# KiCad board q2v2.kicad_pcb (continued)
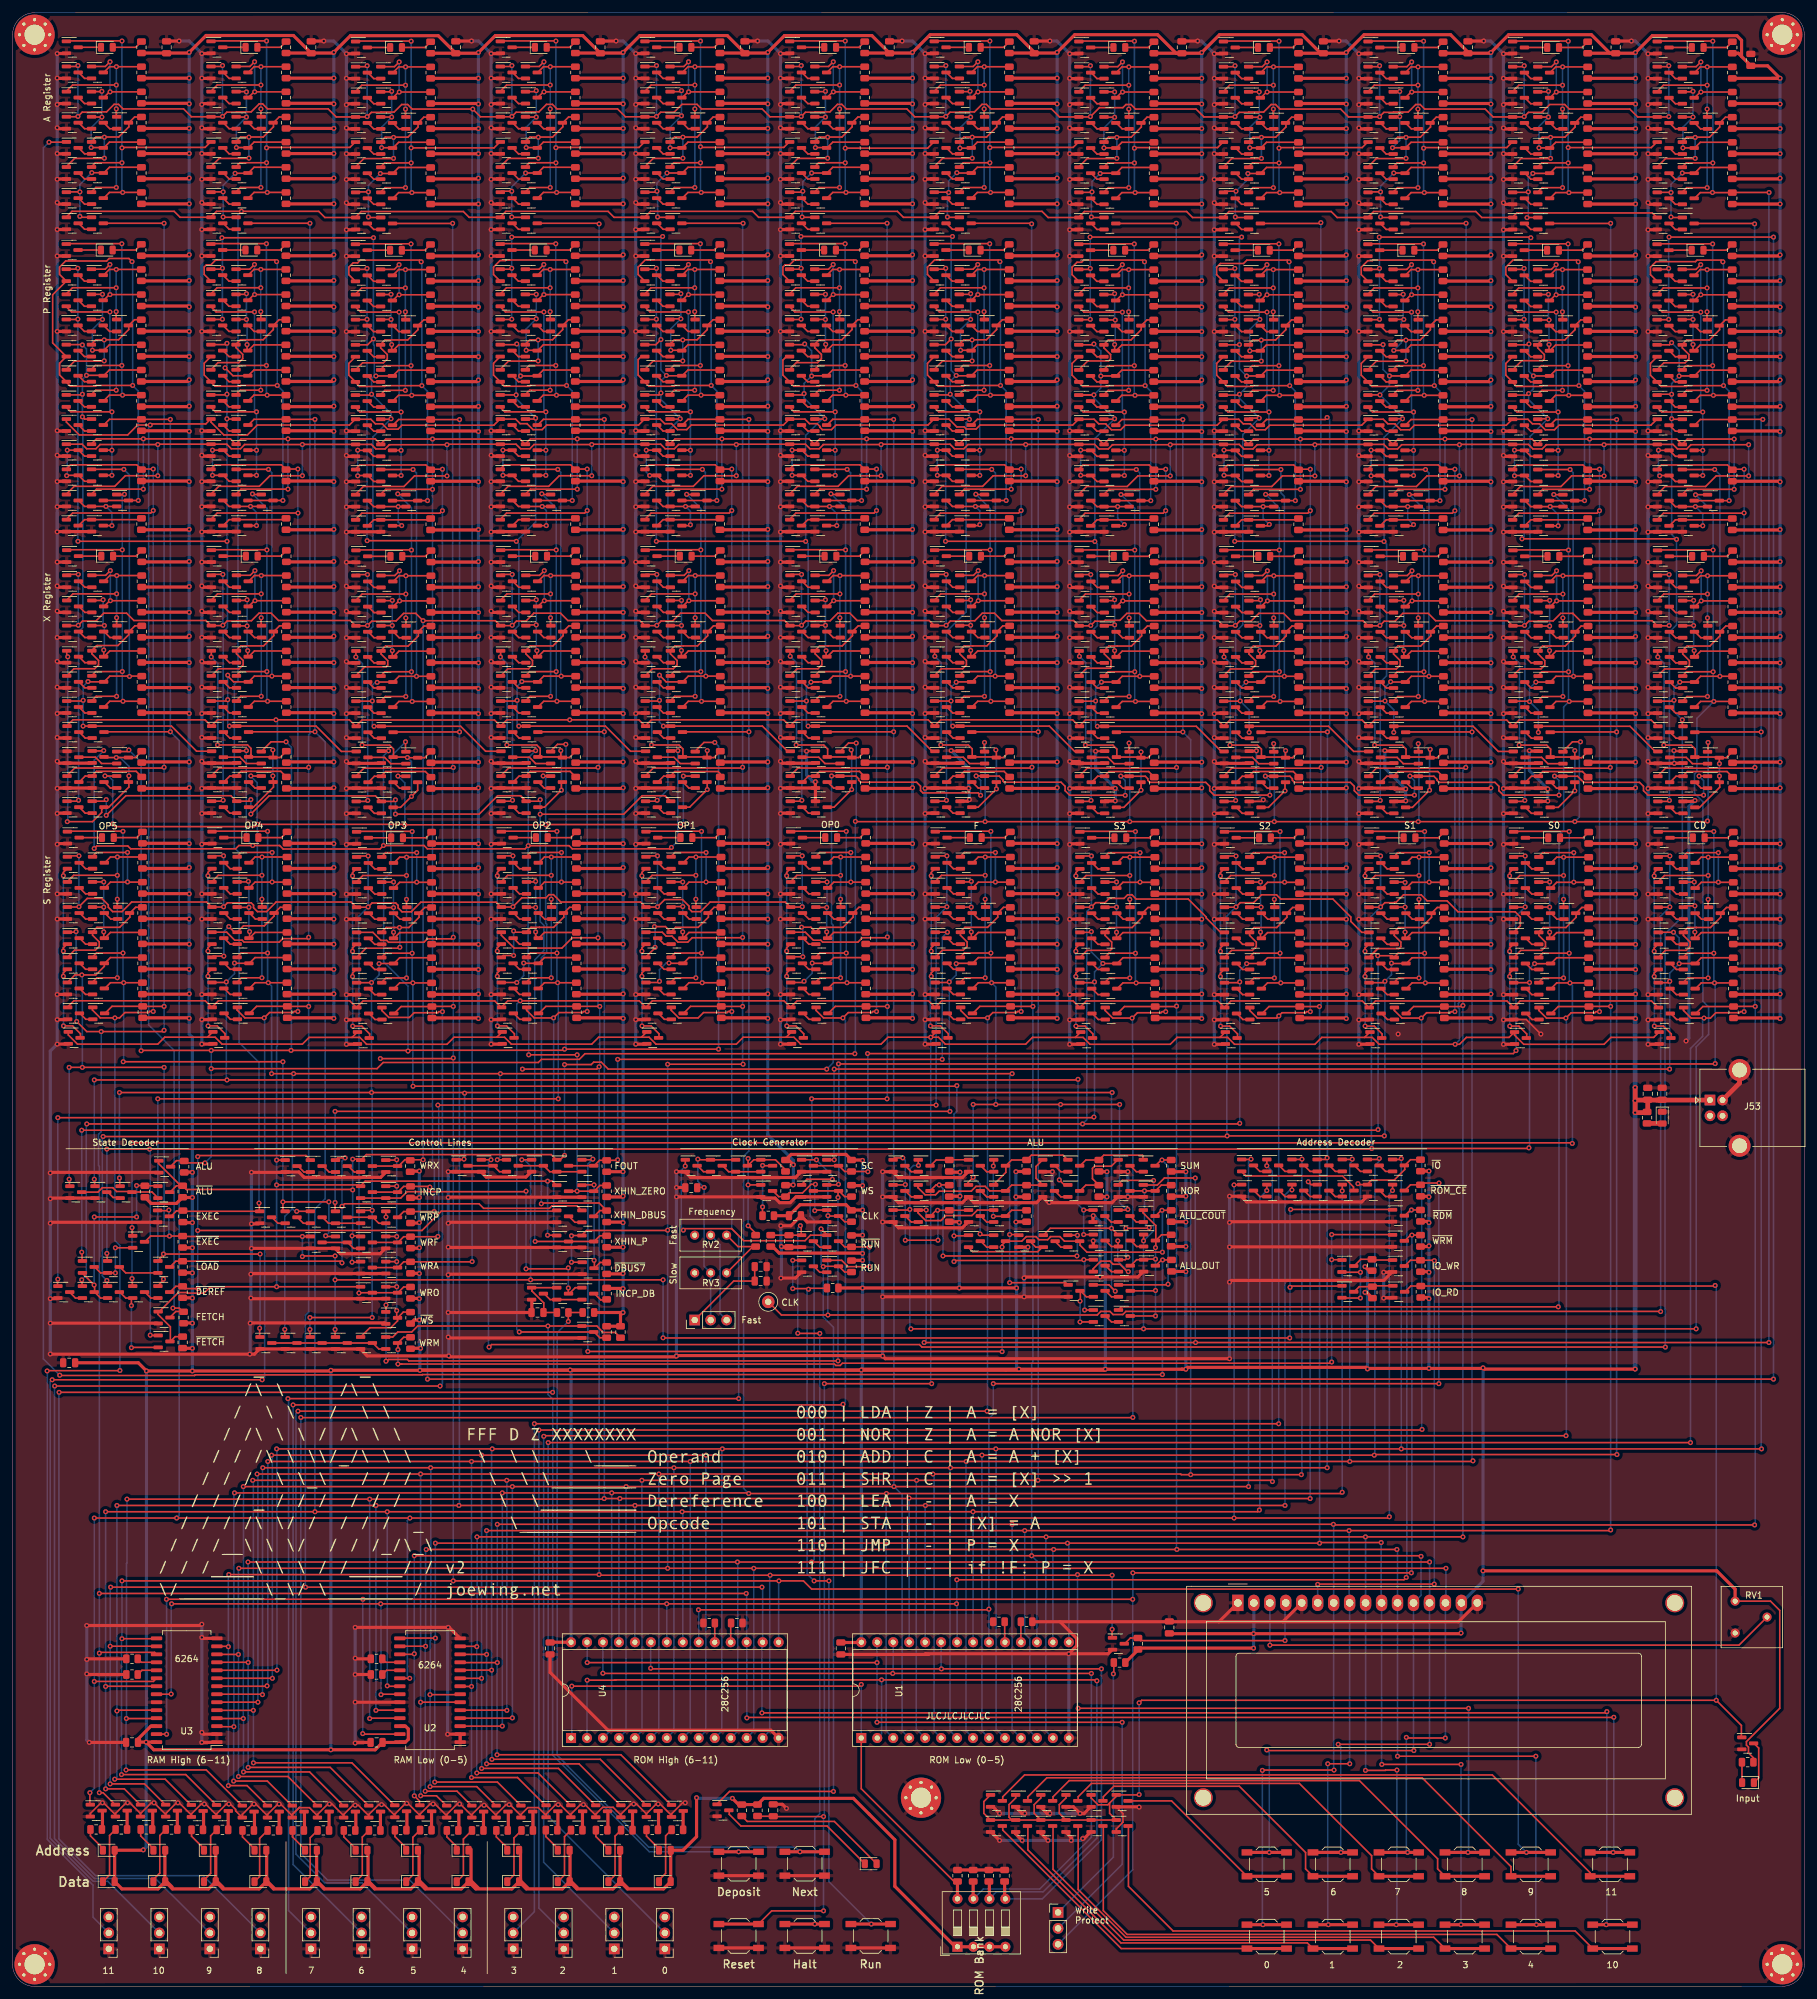
[diagram p0: board, top side]
## Routing (per net, layer and track width the routed paths; a pad name or vN(x,y) marks a point on that pad's centre or on a via; arc(x,y) is an arc through that point) (continued)
/Bit 5/P Register/P DFF/CLR: length 74.6
  Top w0.25: 152.55,236.42 v1(158.05,236.42) ; v1(157.15,254.72) 151.37,254.72 151.24,254.59 147.26,254.59 146.53,255.32 ; Q682.2 145.53,258.25 145.53,256.38 Q676.2 ; Q677.2 145.53,272.38 145.53,273.56 146.66,274.69 147.38,274.69 147.38,274.69 156.78,274.69 v1(157.05,274.42)
  Bottom w0.25: v1(158.05,236.42) 158.05,253.82 v1(157.15,254.72) 157.15,274.32 v1(157.05,274.42)
/Bit 5/P Register/P DFF/Q: length 44.5
  Top w0.25: v1(155.43,257.9) 151.22,257.9 150.53,257.22 ; 146.61,277.29 155.4,277.29 v1(155.43,277.27) ; R279.2 v1(155.54,253.18) 153.44,253.18 152.53,252.27
  Bottom w0.25: v1(155.54,253.18) 155.43,253.29 v1(155.43,257.9) v1(155.43,277.27)
/Bit 5/P Register/P DFF/SET: length 43.7
  Top w0.25: v1(153.85,250.52) 147.32,250.52 146.53,251.32 ; v1(153.85,244.42) 152.55,244.42 ; 152.55,240.42 v1(153.85,240.42) ; v1(153.53,266.41) 147.43,266.41 146.53,267.32
  Bottom w0.25: v1(153.85,240.42) v1(153.85,244.42) v1(153.85,250.52) 153.53,250.84 v1(153.53,266.41)
/Bit 5/S Register/State FF/CLR: length 32.4
  Top w0.25: v1(146.13,164.72) 146.13,165.25 146.71,165.83 ; 148.85,150.92 148.85,151.57 147.59,152.83 v1(146,152.83) ; v1(146.13,160.72) 146.13,161.25 146.71,161.83 ; 146.71,177.83 146.13,177.25 v1(146.13,176.72) ; 146,152.73 146.09,152.82
  Bottom w0.25: v1(146.13,160.72) v1(146.13,164.72) v1(146.13,176.72) ; v1(146.13,160.72) 146.15,160.69 ; v1(146.13,160.72) 146,160.59 v1(146,152.83) ; 146.13,152.85 146,152.73
/Bit 5/X Register/X DFF/D: length 41.9
  Top w0.25: 156.55,195.52 157.59,195.52 R268.2 ; 156.45,195.62 152.65,195.62 152.65,196.89 152.02,197.52 v1(147.65,197.52) ; Q637.3 156.49,196.64 v1(156.4,196.73) ; v1(146.7,211.63) 146.66,211.66 Q657.1 ; Q636.3 153.59,187.62 v1(156.5,190.53) 156.5,191.61
  Bottom w0.25: v1(147.65,197.52) 147.7,197.57 147.7,210.63 v1(146.7,211.63) ; v1(156.5,190.53) 156.5,196.63 v1(156.4,196.73)
/Bit 5/XOUT: length 55.7
  Top w0.25: 146.68,228.59 155.47,228.59 v1(155.5,228.56) ; R270.2 v1(155.61,204.47) 153.51,204.47 152.6,203.56 ; 150.6,208.51 151.29,209.2 v1(155.5,209.2) ; v1(153.22,237.42) 153.26,237.37 154.55,237.37
  Bottom w0.25: v1(155.61,204.47) 155.5,204.59 v1(155.5,209.2) v1(155.5,228.56) 155.5,235.14 v1(153.22,237.42)
/Bit 5/~{P}: length 152.5
  Top w0.25: 123.53,265.22 125.38,265.22 v1(125.43,265.27) ; 146.65,188.57 148.4,188.57 v1(148.55,188.72) ; 152.53,256.27 153.44,257.18 R282.2 ; 123.53,273.22 125.28,273.22 v1(125.43,273.37) ; v1(149.3,262.13) 148.39,261.22 Q682.1 ; v1(149.16,253.33) 149.04,253.22 Q671.1 ; v1(125.4,278.43) v1(149.5,278.43) ; v1(150.1,256.32) 150.15,256.27 Q674.3 ; v1(152.2,249.33) 152.16,249.37 Q658.1
  Bottom w0.25: v1(148.55,188.72) 148.55,215.54 151.67,218.66 151.67,248.8 v1(152.2,249.33) 152.2,250.28 v1(149.16,253.33) 149.16,255.37 v1(150.1,256.32) 149.3,257.12 v1(149.3,262.13) 149.3,278.23 v1(149.5,278.43) ; v1(125.43,265.27) v1(125.43,273.37) 125.43,278.4 v1(125.4,278.43)
/Bit 5/~{XIN}: length 79.8
  Top w0.25: v1(126.55,200.52) 142.28,200.52 146.28,196.52 ; 129.6,207.56 130.51,208.47 v1(133.3,208.47) R239.2 ; 127.55,241.37 132.75,241.37 ; 128.16,207.56 128.13,207.53 v1(127,207.53) ; 128.16,207.56 Q566.3 ; 128.16,207.56 127.15,207.56 ; v1(126.28,204.53) 126.26,204.51 Q563.1
  Bottom w0.25: 133.23,208.55 v1(133.3,208.47) 133.3,240.82 v1(132.75,241.37) ; v1(126.55,200.52) 126.28,200.8 v1(126.28,204.53) 126.28,206.8 v1(127,207.53)
/Bit 6/A Register/A DFF/~{Q}: length 20.6
  Top w0.25: R230.2 130.46,289.43 129.55,288.52 ; 127.61,281.47 125.66,281.47 v1(125.6,281.53) ; v1(127.1,288.53) 127.1,288.52 Q542.3 ; 123.61,285.47 125.54,285.47 v1(125.7,285.63)
  Bottom w0.25: v1(125.6,281.53) 125.6,285.53 v1(125.7,285.63) 125.7,287.13 v1(127.1,288.53)
/Bit 6/AIN: length 59.1
  Top w0.25: 106.53,284.52 107.44,285.43 v1(109.54,285.43) R193.2 ; v1(109.43,309.52) 109.4,309.55 100.6,309.55 ; 104.53,289.47 105.21,290.16 v1(109.43,290.16) ; v1(109.43,292.7) 109.53,292.6 122.67,292.6 123.55,293.47
  Bottom w0.25: v1(109.54,285.43) 109.43,285.55 v1(109.43,290.16) v1(109.43,292.7) v1(109.43,309.52)
/Bit 6/P Register/P DFF/CLR: length 74.3
  Top w0.25: v1(135.05,236.42) 129.55,236.42 ; v1(134.15,254.72) 128.37,254.72 128.24,254.59 124.26,254.59 123.53,255.32 ; v1(134.05,274.42) 133.78,274.69 124.38,274.69 123.61,273.93 122.89,273.93 122.53,273.56 122.53,272.38 Q594.2 ; Q593.2 122.53,256.38 122.53,258.76 123.09,259.32
  Bottom w0.25: v1(134.05,274.42) 134.15,274.32 v1(134.15,254.72) 135.05,253.82 v1(135.05,236.42)
/Bit 6/P Register/P DFF/Q: length 44.5
  Top w0.25: 127.53,257.22 128.22,257.9 v1(132.43,257.9) ; R245.2 v1(132.54,253.18) 130.44,253.18 129.53,252.27 ; 123.61,277.29 132.4,277.29 v1(132.43,277.27)
  Bottom w0.25: v1(132.54,253.18) 132.43,253.29 v1(132.43,257.9) v1(132.43,277.27)
/Bit 6/P Register/P DFF/SET: length 43.7
  Top w0.25: v1(130.85,250.52) 124.32,250.52 123.53,251.32 ; v1(130.53,266.41) 124.43,266.41 123.53,267.32 ; v1(130.85,244.42) 129.55,244.42 ; 129.55,240.42 v1(130.85,240.42)
  Bottom w0.25: v1(130.85,240.42) v1(130.85,244.42) v1(130.85,250.52) 130.53,250.84 v1(130.53,266.41)
/Bit 6/S Register/State FF/CLR: length 31.8
  Top w0.25: v1(123.13,176.72) 123.13,177.25 123.71,177.83 ; v1(123.13,164.72) 123.13,165.25 123.71,165.83 ; v1(123.13,160.72) 123.13,161.25 123.71,161.83 ; 125.85,150.92 125.85,151.57 124.6,152.82 v1(123.15,152.82)
  Bottom w0.25: v1(123.15,152.82) 123.15,160.69 v1(123.13,160.72) v1(123.13,164.72) v1(123.13,176.72)
/Bit 6/SOUT: length 44.5
  Top w0.25: 127.71,163.73 128.4,164.42 v1(132.61,164.42) ; R252.2 v1(132.72,159.69) 130.62,159.69 129.71,158.78 ; 123.79,183.81 132.58,183.81 v1(132.61,183.78)
  Bottom w0.25: v1(132.61,183.78) v1(132.61,164.42) 132.61,159.81 v1(132.72,159.69)
/Bit 6/X Register/X DFF/D: length 42.2
  Top w0.25: 133.45,195.62 129.65,195.62 129.65,196.89 129.02,197.52 v1(124.65,197.52) ; R234.2 134.59,195.52 133.55,195.52 ; Q554.3 133.49,196.64 v1(133.4,196.73) ; Q553.3 130.67,187.62 v1(133.47,190.43) 133.47,191.61 ; v1(123.7,211.63) 123.66,211.66 Q574.1
  Bottom w0.25: v1(124.65,197.52) 124.7,197.57 124.7,210.63 v1(123.7,211.63) ; v1(133.4,196.73) 133.47,196.65 v1(133.47,190.43) 133.4,190.35
/Bit 6/XOUT: length 55.9
  Top w0.25: 127.6,208.51 128.29,209.2 v1(132.5,209.2) ; R236.2 v1(132.61,204.47) 130.51,204.47 129.6,203.56 ; v1(132.5,228.56) 132.47,228.59 123.68,228.59 ; 131.55,237.37 130.28,237.37 v1(130.17,237.48)
  Bottom w0.25: v1(132.61,204.47) 132.5,204.59 v1(132.5,209.2) v1(132.5,228.56) 132.5,235.18 132.47,235.18 v1(130.17,237.48)
/Bit 6/~{P}: length 165.3
  Top w0.25: v1(102.41,265.27) 102.35,265.22 100.5,265.22 ; R248.2 130.44,257.18 129.53,256.27 ; 123.65,188.57 125.4,188.57 v1(125.55,188.72) ; v1(126,261.33) 125.89,261.22 Q599.1 ; v1(126.16,229.92) 126.15,229.93 v1(102.4,229.93) ; v1(102.41,273.37) 102.25,273.22 100.5,273.22 ; v1(125.9,253.43) 125.69,253.22 Q588.1 ; Q575.1 129.15,249.37 v1(129.2,249.43) ; v1(127.1,256.23) 127.14,256.27 Q591.3
  Bottom w0.25: v1(102.41,273.37) v1(102.41,265.27) 102.41,229.93 v1(102.4,229.93) ; v1(125.55,188.72) 125.55,215.54 126.55,216.54 126.55,229.52 v1(126.16,229.92) 126.16,246.78 128.8,249.43 v1(129.2,249.43) 125.9,252.73 v1(125.9,253.43) 125.9,255.03 v1(127.1,256.23) 127.1,260.23 v1(126,261.33)
/Bit 6/~{SOUT}: length 14.5
  Top w0.25: 129.71,162.78 130.62,163.69 R255.2 ; v1(125.9,159.93) 125.71,159.73 Q604.1 ; Q607.3 127.25,162.78 v1(127.2,162.83)
  Bottom w0.25: v1(127.2,162.83) 127.2,161.23 v1(125.9,159.93)
/Bit 6/~{XIN}: length 80.8
  Top w0.25: 106.57,207.56 107.49,208.47 v1(110.27,208.47) R205.2 ; v1(103.53,200.52) 119.28,200.52 123.28,196.52 ; 104.53,241.37 109.72,241.37 ; Q483.3 103.97,207.56 v1(102.9,208.63) ; v1(102.9,204.63) 102.78,204.51 Q480.1
  Bottom w0.25: v1(110.27,208.47) 110.2,208.55 110.2,240.9 v1(109.72,241.37) ; v1(103.53,200.52) 102.9,201.15 v1(102.9,204.63) v1(102.9,208.63)
/Bit 7/A Register/A DFF/~{Q}: length 20.4
  Top w0.25: 106.53,288.52 107.44,289.43 R196.2 ; v1(102.6,281.53) 102.66,281.47 104.59,281.47 ; v1(104.1,288.53) 106.46,288.53 ; 100.59,285.47 102.34,285.47 v1(102.5,285.63)
  Bottom w0.25: v1(104.1,288.53) 102.5,286.93 v1(102.5,285.63) 102.6,285.53 v1(102.6,281.53)
/Bit 7/AIN: length 59
  Top w0.25: 83.53,284.52 84.44,285.43 v1(86.54,285.43) R159.2 ; v1(86.43,309.52) 86.4,309.55 77.6,309.55 ; 81.53,289.47 82.21,290.16 v1(86.43,290.16) ; 100.53,293.47 99.65,292.6 86.47,292.6 v1(86.43,292.55)
  Bottom w0.25: v1(86.54,285.43) 86.43,285.55 v1(86.43,290.16) v1(86.43,292.55) v1(86.43,309.52)
/Bit 7/P Register/P DFF/CLR: length 74.3
  Top w0.25: 106.53,236.42 v1(112.03,236.42) ; 100.5,255.32 101.23,254.59 105.22,254.59 105.35,254.72 v1(111.12,254.72) ; 99.99,259.32 99.5,258.83 99.5,256.38 Q510.2 ; v1(111.03,274.42) 110.75,274.69 103.07,274.69 103.06,274.69 100.63,274.69 99.5,273.56 99.5,272.38 Q511.2
  Bottom w0.25: v1(112.03,236.42) 112.03,253.82 v1(111.12,254.72) 111.12,274.32 v1(111.03,274.42)
/Bit 7/P Register/P DFF/Q: length 44.5
  Top w0.25: 106.5,252.27 107.42,253.18 v1(109.52,253.18) R211.2 ; v1(109.41,277.27) 109.38,277.29 100.58,277.29 ; 104.5,257.22 105.19,257.9 v1(109.41,257.9)
  Bottom w0.25: v1(109.41,277.27) v1(109.41,257.9) 109.41,253.29 v1(109.52,253.18)
/Bit 7/P Register/P DFF/SET: length 43.7
  Top w0.25: 106.53,240.42 v1(107.82,240.42) ; v1(107.82,244.42) 106.53,244.42 ; 100.5,251.32 101.3,250.52 v1(107.82,250.52) ; 100.5,267.32 101.41,266.41 v1(107.51,266.41)
  Bottom w0.25: v1(107.82,240.42) v1(107.82,244.42) v1(107.82,250.52) 107.51,250.84 v1(107.51,266.41)
/Bit 7/S Register/State FF/CLR: length 31.8
  Top w0.25: 100.69,161.83 100.1,161.25 v1(100.1,160.72) ; 100.69,165.83 100.1,165.25 v1(100.1,164.72) ; 100.69,177.83 100.1,177.25 v1(100.1,176.72) ; v1(100.12,152.82) 101.57,152.82 102.82,151.57 102.82,150.92
  Bottom w0.25: v1(100.1,176.72) v1(100.1,164.72) v1(100.1,160.72) 100.12,160.69 v1(100.12,152.82)
/Bit 7/SOUT: length 44.5
  Top w0.25: 106.69,158.78 107.6,159.69 v1(109.7,159.69) R218.2 ; v1(109.59,183.78) 109.56,183.81 100.76,183.81 ; 104.69,163.73 105.37,164.42 v1(109.59,164.42)
  Bottom w0.25: v1(109.59,183.78) v1(109.59,164.42) 109.59,159.81 v1(109.7,159.69)
/Bit 7/X Register/X DFF/D: length 41.9
  Top w0.25: R200.2 111.56,195.52 110.53,195.52 ; v1(101.62,197.52) 106,197.52 106.62,196.89 106.62,195.62 110.43,195.62 ; Q470.3 107.69,187.62 v1(110.5,190.43) 110.5,191.58 ; v1(100.6,211.53) 100.64,211.56 Q491.1 ; Q471.3 110.46,196.59 v1(110.5,196.63)
  Bottom w0.25: v1(101.62,197.52) 101.68,197.57 101.68,210.45 v1(100.6,211.53) ; v1(110.5,190.43) v1(110.5,196.63)
/Bit 7/XOUT: length 55.6
  Top w0.25: 106.57,203.56 107.49,204.47 v1(109.59,204.47) R202.2 ; v1(109.47,228.56) 109.45,228.59 100.65,228.59 ; 104.57,208.51 105.26,209.2 v1(109.47,209.2) ; 108.53,237.37 107.25,237.37 v1(107.22,237.41)
  Bottom w0.25: v1(109.59,204.47) 109.47,204.59 v1(109.47,209.2) v1(109.47,228.56) 109.47,235.15 v1(107.22,237.41)
/Bit 7/~{P}: length 152.5
  Top w0.25: 106.5,256.27 107.42,257.18 R214.2 ; v1(102.53,188.72) 102.38,188.57 100.63,188.57 ; v1(79.41,265.27) 79.35,265.22 77.5,265.22 ; v1(79.4,278.33) 103.3,278.33 v1(103.4,278.43) ; v1(103.13,262.03) 102.32,261.22 Q516.1 ; Q505.1 102.82,253.22 v1(103.13,253.53) ; 77.5,273.22 79.25,273.22 v1(79.41,273.37) ; v1(104,256.32) 104.05,256.27 Q508.3 ; v1(106.2,249.43) 106.15,249.37 Q492.1
  Bottom w0.25: v1(79.41,265.27) v1(79.41,273.37) 79.41,278.32 v1(79.4,278.33) ; v1(103.4,278.43) 103.13,278.16 v1(103.13,262.03) 103.13,257.19 v1(104,256.32) 103.13,255.44 v1(103.13,253.53) 103.13,252.5 v1(106.2,249.43) 104.25,247.48 104.25,190.45 ; v1(102.53,188.72) 104.35,190.55
/Bit 7/~{SOUT}: length 14.6
  Top w0.25: 106.69,162.78 107.6,163.69 R221.2 ; v1(102.9,159.93) 102.71,159.73 Q521.1 ; v1(104.42,162.83) 104.47,162.78 Q524.3
  Bottom w0.25: v1(104.42,162.83) 103.96,162.83 102.9,161.77 v1(102.9,159.93)
/Bit 7/~{XIN}: length 79.1
  Top w0.25: 83.57,207.56 84.49,208.47 v1(87.27,208.47) R171.2 ; v1(80.53,200.52) 94.3,200.52 98.3,196.52 100.63,196.52 ; 81.53,241.37 86.72,241.37 ; Q397.1 80.13,204.51 v1(80.25,204.63) ; v1(81,207.61) 83.46,207.61
  Bottom w0.25: v1(87.27,208.47) 87.2,208.55 87.2,240.9 v1(86.72,241.37) ; v1(80.53,200.52) 80.25,200.8 v1(80.25,204.63) 80.25,206.86 v1(81,207.61)
/Bit 8/A Register/A DFF/~{Q}: length 20
  Top w0.25: 83.53,288.52 84.44,289.43 R162.2 ; v1(79.4,281.53) 79.46,281.47 81.59,281.47 ; v1(79.4,285.63) 77.74,285.63 ; v1(81.6,288.53) 83.46,288.53
  Bottom w0.25: v1(81.6,288.53) 79.4,286.33 v1(79.4,285.63) v1(79.4,281.53)
/Bit 8/AIN: length 59
  Top w0.25: 60.5,284.5 61.41,285.41 v1(63.51,285.41) R125.2 ; v1(63.4,309.5) 63.37,309.52 54.58,309.52 ; 58.5,289.45 59.19,290.13 v1(63.4,290.13) ; 77.53,293.47 76.58,292.53 v1(63.4,292.53)
  Bottom w0.25: v1(63.51,285.41) 63.4,285.52 v1(63.4,290.13) v1(63.4,292.53) v1(63.4,309.5)
/Bit 8/P Register/P DFF/CLR: length 74.6
  Top w0.25: 83.53,236.42 v1(89.03,236.42) ; 77.5,255.32 78.23,254.59 82.22,254.59 82.35,254.72 v1(88.12,254.72) ; Q428.2 76.5,272.38 76.5,273.56 77.54,274.6 78.37,274.6 78.47,274.69 87.75,274.69 v1(88.03,274.42) ; Q427.2 76.5,256.38 76.5,258.25 Q433.2
  Bottom w0.25: v1(89.03,236.42) 89.03,253.82 v1(88.12,254.72) 88.12,274.32 v1(88.03,274.42)
/Bit 8/P Register/P DFF/Q: length 44.5
  Top w0.25: 83.5,252.27 84.42,253.18 v1(86.52,253.18) R177.2 ; v1(86.41,277.27) 86.38,277.29 77.58,277.29 ; 81.5,257.22 82.19,257.9 v1(86.41,257.9)
  Bottom w0.25: v1(86.41,277.27) v1(86.41,257.9) 86.41,253.29 v1(86.52,253.18)
/Bit 8/P Register/P DFF/SET: length 43.7
  Top w0.25: 83.53,240.42 v1(84.82,240.42) ; v1(84.82,244.42) 83.53,244.42 ; 77.5,251.32 78.3,250.52 v1(84.82,250.52) ; 77.5,267.32 78.41,266.41 v1(84.51,266.41)
  Bottom w0.25: v1(84.82,240.42) v1(84.82,244.42) v1(84.82,250.52) 84.51,250.84 v1(84.51,266.41)
/Bit 8/S Register/State FF/CLR: length 31.8
  Top w0.25: 77.69,161.83 77.1,161.25 v1(77.1,160.72) ; 77.69,165.83 77.1,165.25 v1(77.1,164.72) ; 77.69,177.83 77.1,177.25 v1(77.1,176.72) ; v1(77.12,152.82) 78.57,152.82 79.82,151.57 79.82,150.92
  Bottom w0.25: v1(77.1,176.72) v1(77.1,164.72) v1(77.1,160.72) 77.12,160.69 v1(77.12,152.82)
/Bit 8/X Register/X DFF/D: length 42.3
  Top w0.25: R166.2 88.56,195.52 87.53,195.52 ; 83.62,195.62 87.43,195.62 ; v1(78.62,197.52) 83.38,197.52 83.93,196.97 83.93,195.98 Q389.3 ; Q388.3 87.2,195.78 v1(87.2,196.63) ; v1(77.6,211.53) 77.64,211.56 Q408.1 ; Q387.3 84.59,187.62 v1(87.3,190.33) 87.3,191.46
  Bottom w0.25: v1(78.62,197.52) 78.68,197.57 78.68,210.45 v1(77.6,211.53) ; v1(87.3,190.33) 87.3,196.53 v1(87.2,196.63)
/Bit 8/XOUT: length 55.8
  Top w0.25: 83.57,203.56 84.49,204.47 v1(86.59,204.47) R168.2 ; v1(86.47,228.56) 86.45,228.59 77.65,228.59 ; 81.57,208.51 82.26,209.2 v1(86.47,209.2) ; 85.53,237.37 84.29,237.37 v1(84.18,237.49)
  Bottom w0.25: v1(86.59,204.47) 86.47,204.59 v1(86.47,209.2) v1(86.47,228.56) 86.47,235.19 v1(84.18,237.49)
/Bit 8/~{P}: length 165.9
  Top w0.25: 83.5,256.27 84.42,257.18 R180.2 ; v1(79.53,188.72) 79.38,188.57 77.63,188.57 ; v1(56.38,265.24) 56.33,265.19 54.48,265.19 ; v1(80.2,261.33) 80.09,261.22 Q433.1 ; v1(83.2,249.53) 83.04,249.37 Q409.1 ; v1(56.4,230.03) 80.03,230.03 v1(80.13,229.92) ; Q422.1 80.09,253.22 v1(80.1,253.23) ; v1(80.8,256.23) 83.4,256.23 ; v1(56.38,273.34) 56.23,273.19 54.48,273.19
  Bottom w0.25: 80.45,261.22 80.56,261.12 80.56,256.27 ; v1(56.38,273.34) v1(56.38,265.24) 56.38,230.05 v1(56.4,230.03) ; v1(79.53,188.72) 79.53,215.54 80.53,216.54 80.53,229.52 v1(80.13,229.92) 83.2,232.99 v1(83.2,249.53) 80.1,252.63 v1(80.1,253.23) 80.1,255.53 v1(80.8,256.23) 80.56,256.47 ; v1(80.2,261.33) 80.56,260.97 ; 80.13,252.99 80.13,252.7 80.1,252.73
/Bit 8/~{SOUT}: length 14.7
  Top w0.25: 83.69,162.78 84.6,163.69 R187.2 ; Q441.3 81.34,162.78 v1(81.3,162.83) ; v1(80.2,159.73) 80.19,159.73 Q438.1
  Bottom w0.25: v1(81.3,162.83) 81.3,160.83 v1(80.2,159.73)
/Bit 8/~{XIN}: length 79.3
  Top w0.25: 60.55,207.54 61.46,208.45 v1(64.25,208.45) R137.2 ; v1(57.5,200.5) 71.27,200.5 75.25,196.52 77.63,196.52 ; 58.5,241.35 v1(63.7,241.35) ; v1(58,207.48) 58.05,207.54 Q317.3 ; v1(57.22,204.53) 57.19,204.49 Q314.1
  Bottom w0.25: 64.18,208.52 v1(64.25,208.45) 64.25,240.8 v1(63.7,241.35) ; v1(58,207.48) 57.7,207.48 57.22,207.01 v1(57.22,204.53) 57.22,200.77 v1(57.5,200.5)
/Bit 9/A Register/A DFF/~{Q}: length 19.9
  Top w0.25: 60.5,288.5 61.41,289.41 R128.2 ; Q286.1 56.68,281.45 v1(56.6,281.53) ; v1(56.6,285.53) 54.64,285.53 ; v1(58.5,288.45) 60.39,288.45
  Bottom w0.25: v1(58.5,288.45) 56.6,286.55 v1(56.6,285.53) v1(56.6,281.53)
/Bit 9/P Register/P DFF/CLR: length 74.6
  Top w0.25: 60.5,236.4 v1(66,236.4) ; 54.48,255.29 55.21,254.57 59.19,254.57 59.32,254.7 v1(65.1,254.7) ; Q350.2 53.48,258.23 53.48,256.35 Q344.2 ; Q345.2 53.48,272.35 53.48,273.54 54.17,274.23 54.89,274.23 55.33,274.67 64.73,274.67 v1(65,274.4)
  Bottom w0.25: v1(66,236.4) 66,253.8 v1(65.1,254.7) 65.1,274.3 v1(65,274.4)
/Bit 9/P Register/P DFF/Q: length 44.5
  Top w0.25: 60.48,252.24 61.39,253.15 v1(63.49,253.15) R143.2 ; v1(63.38,277.24) 63.35,277.27 54.56,277.27 ; 58.48,257.19 59.17,257.88 v1(63.38,257.88)
  Bottom w0.25: v1(63.38,277.24) v1(63.38,257.88) 63.38,253.27 v1(63.49,253.15)
/Bit 9/P Register/P DFF/SET: length 43.7
  Top w0.25: 60.5,240.4 v1(61.8,240.4) ; v1(61.8,244.4) 60.5,244.4 ; 54.48,251.29 55.28,250.5 v1(61.8,250.5) ; 54.48,267.29 55.38,266.39 v1(61.48,266.39)
  Bottom w0.25: v1(61.8,240.4) v1(61.8,244.4) v1(61.8,250.5) 61.48,250.81 v1(61.48,266.39)
/Bit 9/S Register/State FF/CLR: length 31.8
  Top w0.25: 54.66,161.81 54.08,161.22 v1(54.08,160.69) ; 54.66,165.81 54.08,165.22 v1(54.08,164.69) ; 54.66,177.81 54.08,177.22 v1(54.08,176.69) ; v1(54.1,152.8) 55.55,152.8 56.8,151.55 56.8,150.9
  Bottom w0.25: v1(54.08,176.69) v1(54.08,164.69) v1(54.08,160.69) 54.1,160.67 v1(54.1,152.8)
/Bit 9/X Register/X DFF/D: length 41.3
  Top w0.25: R132.2 65.54,195.5 64.5,195.5 ; 60.6,195.6 60.6,196.87 59.97,197.5 v1(55.6,197.5) ; Q325.1 54.61,211.54 v1(54.6,211.53) ; Q302.3 64.44,190.31 v1(63.45,189.33) 61.72,187.6 Q304.3 ; Q305.3 62.83,195.5 v1(62.8,195.53) 62.73,195.6 Q306.3
  Bottom w0.25: v1(55.6,197.5) 55.65,197.55 55.65,210.48 v1(54.6,211.53) ; 63.4,194.93 63.4,194.83 ; v1(63.45,189.33) 63.45,194.88 v1(62.8,195.53)
/Bit 9/XOUT: length 55.7
  Top w0.25: 60.55,203.54 61.46,204.45 v1(63.56,204.45) R134.2 ; v1(63.45,228.54) 63.42,228.56 54.63,228.56 ; 58.55,208.49 59.24,209.17 v1(63.45,209.17) ; 62.5,237.35 61.39,237.35 v1(61.27,237.47)
  Bottom w0.25: v1(63.56,204.45) 63.45,204.56 v1(63.45,209.17) v1(63.45,228.54) 63.45,235.29 v1(61.27,237.47)
/Bit 10/A Register/A DFF/~{Q}: length 20.1
  Top w0.25: 37.5,288.53 38.41,289.44 R41.2 ; v1(35.4,288.48) 37.39,288.48 ; v1(33.5,285.53) 31.61,285.53 ; v1(33.5,281.53) 33.55,281.48 Q87.1
  Bottom w0.25: v1(33.5,281.53) v1(33.5,285.53) 33.5,286.58 v1(35.4,288.48)
/Bit 10/AIN: length 59
  Top w0.25: 8.58,309.55 17.37,309.55 v1(17.4,309.53) ; 14.5,284.53 15.41,285.44 v1(17.51,285.44) R5.2 ; v1(17.4,292.53) 17.47,292.6 30.62,292.6 31.5,293.48 ; 12.5,289.48 13.19,290.16 v1(17.4,290.16)
  Bottom w0.25: v1(17.51,285.44) 17.4,285.55 v1(17.4,290.16) v1(17.4,292.53) v1(17.4,309.53)
/Bit 10/AOUT: length 59
  Top w0.25: 37.5,284.53 38.41,285.44 v1(40.51,285.44) R38.2 ; v1(40.4,309.53) 40.37,309.55 31.58,309.55 ; 35.5,289.48 36.19,290.16 v1(40.4,290.16) ; v1(40.4,292.53) 40.47,292.6 53.65,292.6 54.5,293.45
  Bottom w0.25: v1(40.51,285.44) 40.4,285.55 v1(40.4,290.16) v1(40.4,292.53) v1(40.4,309.53)
/Bit 10/INCP_CLK: length 152.3
  Top w0.25: v1(33.38,265.27) 33.33,265.22 31.48,265.22 ; 60.48,256.24 61.39,257.15 R146.2 ; v1(56.5,188.7) 56.35,188.55 54.6,188.55 ; v1(57.11,253.33) 56.97,253.19 Q339.1 ; v1(57.8,256.23) 57.81,256.24 Q342.3 ; v1(60.2,249.43) 60.12,249.35 Q326.1 ; Q350.1 56.47,261.19 v1(57.4,262.13) ; v1(33.38,273.37) 33.23,273.22 31.48,273.22 ; v1(33.3,278.23) v1(57.4,278.23)
  Bottom w0.25: v1(33.38,265.27) v1(33.38,273.37) 33.38,278.15 v1(33.3,278.23) ; v1(56.5,188.7) 56.5,215.51 57.33,216.34 57.33,246.55 v1(60.2,249.43) 60.2,250.23 v1(57.11,253.33) 57.11,255.82 57.53,256.24 57.53,261.1 57.4,261.23 v1(57.4,262.13) v1(57.4,278.23) ; v1(57.8,256.23) 57.52,256.23
/Bit 10/P Register/P DFF/CLR: length 74.6
  Top w0.25: 37.5,236.43 v1(43,236.43) ; 31.48,255.32 32.21,254.6 36.19,254.6 36.32,254.73 v1(42.1,254.73) ; Q146.2 30.48,272.38 30.48,273.57 30.84,273.93 31.56,273.93 32.33,274.7 41.73,274.7 v1(42,274.43) ; Q151.2 30.48,258.26 30.48,256.38 Q145.2
  Bottom w0.25: v1(43,236.43) 43,253.83 v1(42.1,254.73) 42.1,274.33 v1(42,274.43)
/Bit 10/P Register/P DFF/Q: length 44.5
  Top w0.25: 37.48,252.27 38.39,253.18 v1(40.49,253.18) R56.2 ; v1(40.38,277.27) 40.35,277.3 31.56,277.3 ; 35.48,257.22 36.17,257.91 v1(40.38,257.91)
  Bottom w0.25: v1(40.38,277.27) v1(40.38,257.91) 40.38,253.3 v1(40.49,253.18)
/Bit 10/P Register/P DFF/SET: length 43.7
  Top w0.25: 37.5,240.43 v1(38.8,240.43) ; v1(38.8,244.43) 37.5,244.43 ; 31.48,251.32 32.28,250.53 v1(38.8,250.53) ; 31.48,267.32 32.38,266.42 v1(38.48,266.42)
  Bottom w0.25: v1(38.8,240.43) v1(38.8,244.43) v1(38.8,250.53) 38.48,250.84 v1(38.48,266.42)
/Bit 10/S Register/State FF/CLR: length 31.8
  Top w0.25: 31.66,161.84 31.08,161.25 v1(31.08,160.72) ; 31.66,165.84 31.08,165.25 v1(31.08,164.72) ; 31.66,177.84 31.08,177.25 v1(31.08,176.72) ; v1(31.1,152.83) 32.55,152.83 33.8,151.58 33.8,150.93
  Bottom w0.25: v1(31.08,176.72) v1(31.08,164.72) v1(31.08,160.72) 31.1,160.7 v1(31.1,152.83)
/Bit 10/X Register/X DFF/D: length 41.1
  Top w0.25: R45.2 42.54,195.53 41.5,195.53 ; 41.5,191.63 41.5,190.83 38.3,187.63 37.6,187.63 ; 37.6,195.63 41.4,195.63 ; v1(41.4,196.73) 41.44,196.69 Q106.3 ; Q107.3 37.93,196.01 37.93,196.97 37.37,197.53 v1(32.6,197.53) ; Q126.1 31.61,211.54 v1(31.6,211.53) ; v1(41.4,192.6) 41.44,192.56 Q103.3
  Bottom w0.25: v1(32.6,197.53) 32.65,197.58 32.65,210.48 v1(31.6,211.53) ; v1(41.4,196.73) 41.4,192.63
/Bit 10/XOUT: length 55.8
  Top w0.25: 37.55,203.57 38.46,204.48 v1(40.56,204.48) R47.2 ; v1(40.45,228.57) 40.42,228.59 31.63,228.59 ; 35.55,208.52 36.24,209.2 v1(40.45,209.2) ; v1(38.16,237.47) 38.25,237.38 39.5,237.38
  Bottom w0.25: v1(40.56,204.48) 40.45,204.59 v1(40.45,209.2) v1(40.45,228.57) 40.45,235.18 v1(38.16,237.47)
/Bit 10/~{P}: length 164.1
  Top w0.25: v1(10.38,265.27) 10.33,265.22 8.48,265.22 ; 37.48,256.27 38.39,257.18 R59.2 ; v1(33.5,188.73) 33.35,188.58 31.6,188.58 ; v1(34.1,249.43) 34.15,249.38 Q127.1 ; v1(33.8,257.53) 35.06,256.27 Q143.3 ; Q140.1 34,253.22 v1(34.1,253.33) ; v1(10.38,273.37) 10.23,273.22 8.48,273.22 ; v1(34.1,261.43) 33.89,261.22 Q151.1 ; v1(10.4,229.93) v1(34.11,229.93)
  Bottom w0.25: v1(10.38,273.37) v1(10.38,265.27) 10.38,229.95 v1(10.4,229.93) ; v1(33.5,188.73) 33.5,215.54 34.18,216.22 34.18,229.86 v1(34.11,229.93) 34.11,249.02 ; v1(34.1,261.43) 34.1,257.83 v1(33.8,257.53) 34.1,257.23 v1(34.1,253.33) 34.1,252.83 34.11,252.82 ; 34.11,249.02 34.11,249.22 ; 34.11,249.02 34.1,249.03 v1(34.1,249.43) 34.1,250.53 34.11,250.53 ; 34.11,250.28 34.11,250.53 ; 34.11,250.53 34.11,252.82 ; 34.11,252.82 34.11,253
/Bit 10/~{XIN}: length 79.6
  Top w0.25: 14.55,207.57 15.46,208.48 R16.2 ; 31.6,196.53 29.27,196.53 25.27,200.53 12.6,200.53 ; v1(11.23,204.63) 11.12,204.52 Q33.1 ; 12.5,241.38 v1(17.7,241.38) ; Q22.1 v1(11.23,200.53) ; v1(12,207.62) 12.05,207.57 Q35.3
  Bottom w0.25: v1(12,207.62) 11.23,206.84 v1(11.23,204.63) v1(11.23,200.53) ; v1(18.6,208.43) 18.57,208.45 18.57,240.5 v1(17.7,241.38)
/Bit 10/~{XOUT}: length 81.3
  Top w0.25: 37.55,207.57 38.46,208.48 v1(41.25,208.48) R50.2 ; v1(34.5,200.53) 48.27,200.53 52.3,196.5 54.6,196.5 ; 35.5,241.38 v1(40.7,241.38) ; v1(34.22,208.63) 34.22,208.49 35.15,207.57 Q118.3 ; Q115.1 34.02,204.52 v1(34.22,204.73)
  Bottom w0.25: 41.18,208.55 v1(41.25,208.48) 41.25,240.83 v1(40.7,241.38) ; v1(34.5,200.53) 34.22,200.8 v1(34.22,204.73) v1(34.22,208.63)
/Bit 11/A Register/A DFF/~{Q}: length 19.9
  Top w0.25: v1(10.7,285.53) 8.61,285.53 ; R7.2 15.41,289.44 14.5,288.53 ; v1(12.6,288.58) 14.39,288.58 ; v1(10.7,281.63) 10.85,281.48 Q5.1
  Bottom w0.25: v1(12.6,288.58) 10.7,286.68 v1(10.7,285.53) v1(10.7,281.63)
/Bit 11/P Register/P DFF/CLR: length 88.5
  Top w0.25: v1(20,236.43) 14.5,236.43 ; v1(19.1,254.73) 13.32,254.73 13.19,254.6 9.21,254.6 8.48,255.32 ; Q62.2 7.48,256.38 7.48,258.26 Q68.2 6.37,261.49 6.37,269.15 Q63.2 7.48,272.38 7.48,273.57 8.44,274.53 14.96,274.53 15.36,274.93 18.5,274.93 v1(19,274.43)
  Bottom w0.25: v1(19,274.43) 19.1,274.33 v1(19.1,254.73) 20,253.83 v1(20,236.43)
/Bit 11/P Register/P DFF/Q: length 44.5
  Top w0.25: 14.48,252.27 15.39,253.18 v1(17.49,253.18) R23.2 ; v1(17.38,277.27) 17.35,277.3 8.56,277.3 ; 12.48,257.22 13.17,257.91 v1(17.38,257.91)
  Bottom w0.25: v1(17.38,277.27) v1(17.38,257.91) 17.38,253.3 v1(17.49,253.18)
/Bit 11/P Register/P DFF/SET: length 43.7
  Top w0.25: v1(15.48,266.42) 9.38,266.42 8.48,267.32 ; v1(15.8,244.43) 14.5,244.43 ; 14.5,240.43 v1(15.8,240.43) ; v1(15.8,250.53) 9.27,250.53 8.48,251.32
  Bottom w0.25: v1(15.48,266.42) 15.48,250.84 v1(15.8,250.53) v1(15.8,244.43) v1(15.8,240.43)
/Bit 11/S Register/State FF/CLR: length 31.8
  Top w0.25: v1(8.08,160.72) 8.08,161.25 8.66,161.84 ; v1(8.08,176.72) 8.08,177.25 8.66,177.84 ; 8.66,165.84 8.08,165.25 v1(8.08,164.72) ; v1(8.1,152.83) 9.55,152.83 10.8,151.58 10.8,150.93